# Altium PCB Refreshmate_Air_freshner_&_fan_module.PcbDoc
Units mil, origin at the board's own origin, x right, y up, seen from the top; angles counter-clockwise.
Board outline 2760 x 1930 mil, 2 copper layers (Top Layer, Bottom Layer); 19 components, 14 nets, 59 pads, 0 vias.
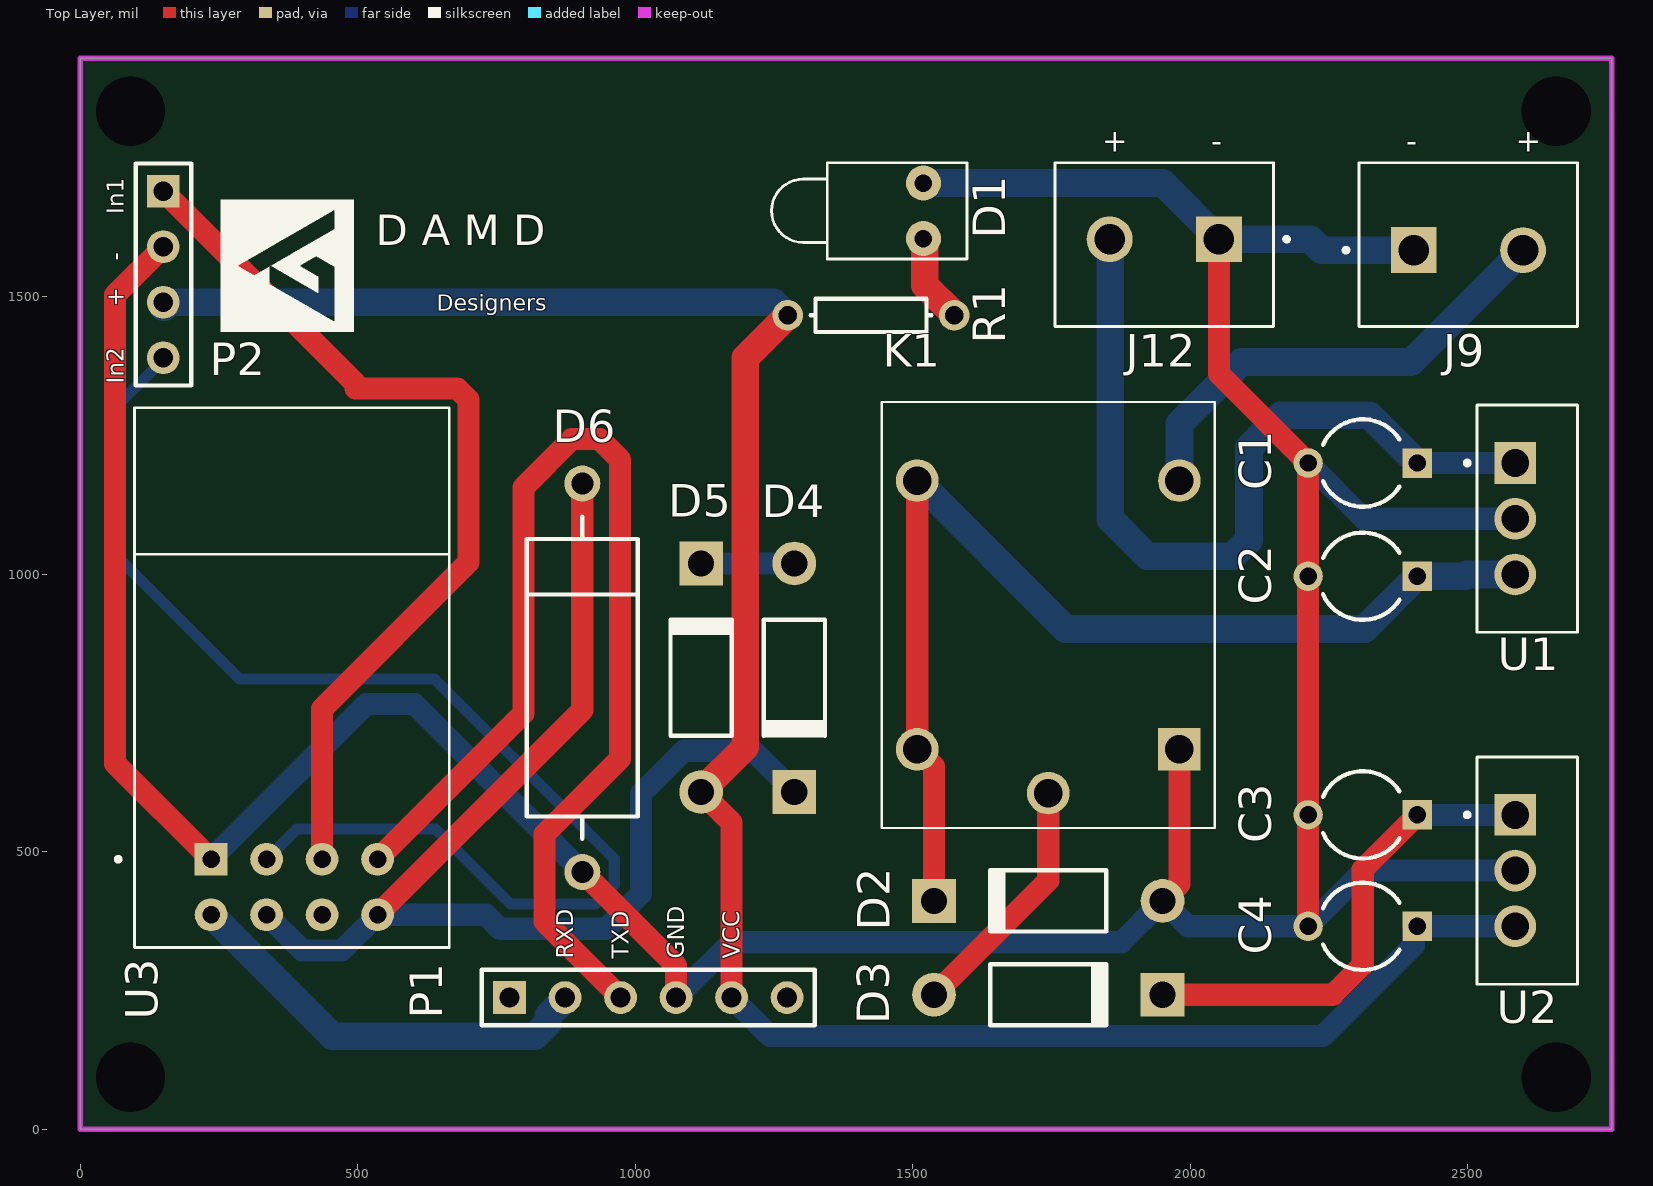
[diagram p0: Top Layer view]
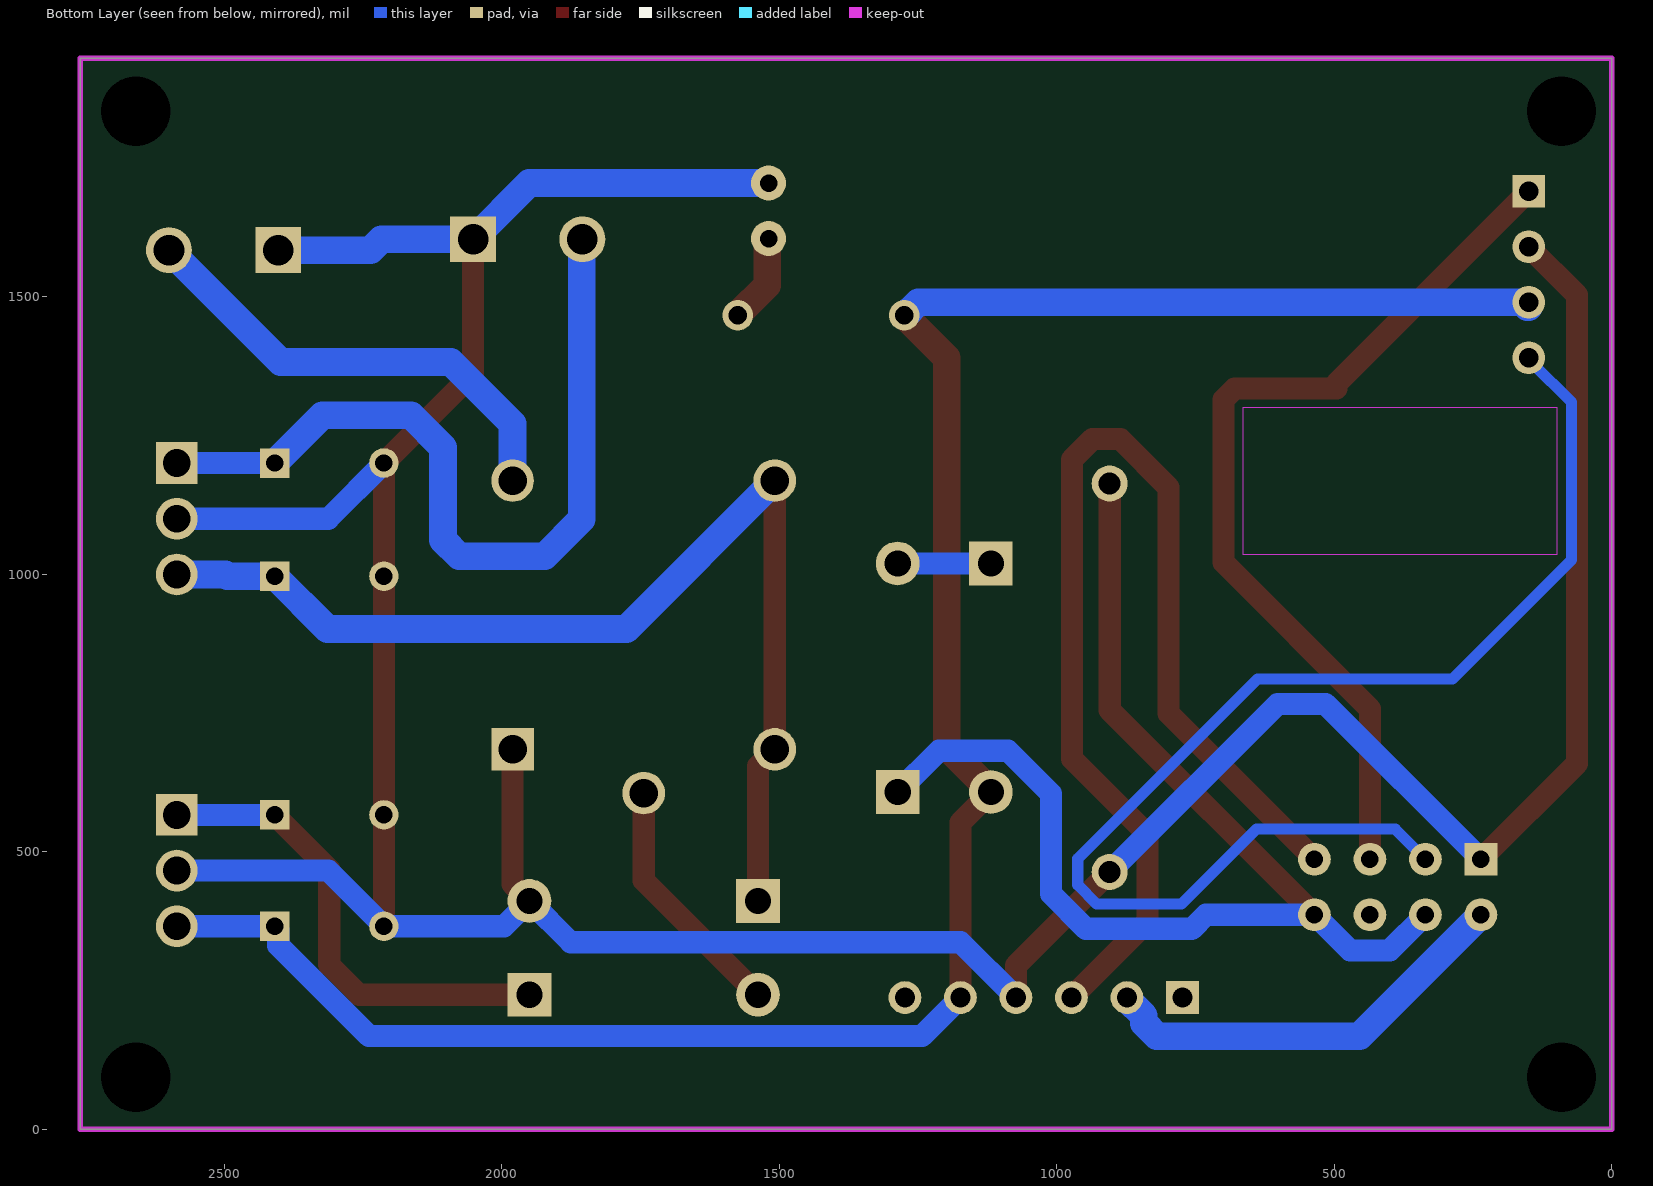
[diagram p1: Bottom Layer view, seen from below]

## Layer stack, top to bottom
Top Solder: solder mask 0.4, Solder Resist, Dk 3.5
Top Layer: signal copper 1.4
Dielectric 1: dielectric 12.6, FR-4, Dk 4.8
Bottom Layer: signal copper 1.4
Bottom Solder: solder mask 0.4, Solder Resist, Dk 3.5

## Board outline
0,0 0,1930 2760,1930 2760,0

## Design rules (kind name [scope] priority, off if disabled: settings)
Clearance [All] p1: gap=15 ignorepadtopadclearanceinfootprint=FALSE
ComponentClearance [All] p1: gap=10 collisioncheckmode=3 verticalgap=10 showdistances=FALSE donotcheckwithout3dbody=TRUE
HoleSize [All] p1: absolutevalues=TRUE maxlimit=130 minlimit=1 maxpercent=80.000 minpercent=20.000
HoleToHoleClearance [All] p1: gap=15 allowstackedmicrovias=TRUE
PolygonConnect [All] p1: connectstyle=Relief reliefconductorwidth=10 reliefentries=4 polygonreliefangle="90 Angle" airgapwidth=10
RoomDefinition Relay_module [InComponentClass('Relay_module')] p1: confinementstyle=ConfineIn formatcopy=TRUE lockcomponents=FALSE outline 10,10 2750,10 2750,1915.96 10,1915.96
RoutingVias [All] p1: holewidth=28 width=50 viastyle="Through Hole" minholewidth=28 minwidth=50 maxholewidth=28 maxwidth=50
SilkToSolderMaskClearance [IsText] p1: minsilkscreentomaskgap=10 clearancetoexposedcopper=TRUE
SolderMaskExpansion [All] p1: expansion=4 istentingtop=FALSE
Width [All] p1: maxlimit=100 minlimit=10 preferedwidth=40
26 further rules are at their usual default settings.

## Classes and differential pairs
component class Relay_module: C1 C2 C3 C4 D1 D2 D3 D4 D5 D6 J9 J12 K1 P1 R1 U1 U2 U3

## Components (designator, comment, footprint, x,y, rotation, side; value= is the part's Value field where it differs from the comment)
C1 "0.33uF" CAPR5-4X5 2310.94,1200.43 r180 top
C2 "0.1uF" CAPR5-4X5 2310.94,996.43 r180 top
C3 "100uf 25V" CAPR5-4X5 2310.94,566.43 r180 top
C4 "2200uf 16V" CAPR5-4X5 2310.94,365.64 r180 top
D1 "LED1" LED-1 1519.52,1654.82 r180 top
D2 "Diode 1N4007" DO-41 1744.52,411.43 r180 top
D3 "Diode 1N4007" DO-41 1744.52,242.43 r0 top
D4 "Diode 1N4007" DO-41 1286.94,813.6 r270 top
D5 "Diode 1N4007" DO-41 1118.94,813.6 r90 top
D6 "D Zener" DIODE-0.7 904.94,813.6 r90 top
J9 "9V Battery" HANDSON_KF301-2P 2501.37,1583.96 r0 top
J12 "12V Battery" HANDSON_KF301-2P 1953.37,1603.64 r180 top
K1 "9V RELAY" JQC3FT731Z12VDC 1980.74,684.48 r90 top
P1 "HC-05 Bluetooth module" HDR1X6 773.79,237.31 r0 top
P2 "Header 4" HDR1X4 150,1690 r270 top (schematic designator P?)
R1 "Res1" AXIAL-0.3 1424.95,1466.43 r180 top value=470ohm
U1 "L7809CV" TO255P1040X460X1968-3 2585.62,1200.43 r270 top
U2 "L7805CV" TO255P1040X460X1968-3 2585.62,566.43 r270 top
U3 "ESP8266-01/ESP-01" XCVR_ESP8266-01/ESP-01 385.94,813.6 r0 top

## Footprints (in the part's own frame and the unit in brackets; to place one, negate y for a bottom-side part, rotate by r counter-clockwise, add the part's x,y. Pads: shape width x height; smd on the part's side, far side on the other; paste and mask are expansions set on the pad)
AXIAL-0.3 [mm] "Axial Device, Thru-Hole; 2 Leads; 0.3 in Pin Spacing"
  round 1.4 hole 0.85: 1(-3.81,0) 2(3.81,0)
  silkscreen extent -2.77,-0.76 2.77,0.76
CAPR5-4X5 [mm] "Capacitor; 2 Leads"
  rect 1.35x1.35 hole 0.8: 1(-2.5,0)
  round 1.35 hole 0.8: 2(2.5,0)
  silkscreen extent -1.69,-2 1.82,2
DIODE-0.7 [mm] "Diode, Thru-Hole; 2 Leads; 0.7 in Pin Spacing"
  round 1.65 hole 1: 1(-8.89,0) 2(8.89,0)
  silkscreen extent -7.37,-2.54 7.37,2.54
DO-41 [mm] "Diode, Axial; Body 5.2 x 2.7 mm (LxDia. max), Lead Dia. 0.86 mm (max)"
  round 2 hole 1.2: 1(-5.23,0)
  rect 2x2 hole 1.2: 2(5.23,0)
  silkscreen extent -2.65,-1.4 2.75,1.4
HANDSON_KF301-2P [mm]
  rect 2.1x2.1 hole 1.4: 1(-2.5,0)
  round 2.1 hole 1.4: 2(2.5,0)
  silkscreen extent -5.7,-3.5 5,4
HDR1X4 [mm] "Connector; Header; 4 Position"
  rect 1.5x1.5 hole 0.9: 1(0,0)
  round 1.5 hole 0.9: 2(2.54,0) 3(5.08,0) 4(7.62,0)
  silkscreen extent -1.27,-1.27 8.89,1.27
HDR1X6 [mm] "Connector; Header; 6 Position"
  rect 1.5x1.5 hole 0.9: 1(0,0)
  round 1.5 hole 0.9: 2(2.54,0) 3(5.08,0) 4(7.62,0) 5(10.16,0) 6(12.7,0)
  silkscreen extent -1.27,-1.27 13.97,1.27
JQC3FT731Z12VDC [mm]
  rect 1.95x1.95 hole 1.3: 1(0,0)
  round 1.95 hole 1.3: 2(12.3,0) 3(12.3,12) 4(0,12) 5(-2,6)
  silkscreen extent -3.6,-1.62 15.9,13.62
LED-1 [mm] "LED; 2 Leads"
  round 1.6 hole 0.8: 1(0,1.27) 2(0,-1.27)
  silkscreen extent -2,-2.2 6.95,2.2
TO255P1040X460X1968-3 [mm]
  rect 1.91x1.91 / inner round 1.91 / far side rect 1.91x1.91 hole 1.27: 1(0,0)
  round 1.91 hole 1.27: 2(2.55,0) 3(5.1,0)
  silkscreen extent -2.65,-2.29 7.75,2.86, body extent -4.98,-1.76 4.98,2.69, height 19.68
XCVR_ESP8266-01/ESP-01 [mm]
  rect 1.5x1.5 hole 0.8: 1(-3.81,-8.31)
  round 1.5 hole 0.8: 2(-1.27,-8.31) 3(1.27,-8.31) 4(3.81,-8.31) 5(-3.81,-10.85) 6(-1.27,-10.85) 7(1.27,-10.85) 8(3.81,-10.85)
  Keep-Out Layer region: 7.09,5.65 -7.31,5.65 -7.31,12.35 7.09,12.35
  silkscreen extent -8.16,-12.35 7.09,12.35

## Part data
C1 C2 C3 C4: library part Cap2, "Capacitor", PackageDescription="Capacitor; 2 Leads", PackageReference=CAPR5-4X5, Published=23-Sep-2002, Publisher="Altium Limited"
D1: "Typical RED GaAs LED", LatestRevisionDate=08-Jul-2005, LatestRevisionNote="Mech Layer 1 removed.", PackageDescription="LED; 2 Leads", PackageReference=LED-1, Published=8-Jun-2000, Publisher="Altium Limited"
D2 D3 D4 D5: "1 Amp General Purpose Rectifier", Code_JEDEC=DO-204-AL, ComponentLink1Description="Manufacturer Link", ComponentLink1URL=http://www.fairchildsemi.com/, ComponentLink2Description=Datasheet, ComponentLink2URL=http://www.fairchildsemi.com/ds/1N%2F1N4001.pdf, DatasheetVersion=1998, LatestRevisionDate=17-Jul-2002, LatestRevisionNote="Re-released for DXP Platform.", PackageDescription="Diode, Axial; Body 5.2 x 2.7 mm (LxDia. max), Lead Dia. 0.86 mm (max)", PackageReference=DO-41, PackageVersion=Aug-1999, Published=8-Jun-2000, Publisher="Altium Limited"
D6: "Zener Diode", LatestRevisionDate=17-Jul-2002, LatestRevisionNote="Re-released for DXP Platform.", PackageDescription="Diode, Thru-Hole; 2 Leads; 0.7 in Pin Spacing", PackageReference=DIODE-0.7, Published=8-Jun-2000, Publisher="Altium Limited"
J9 J12: library part KF301-2P, "2 Pin Terminal Block 5mm Pitch", Package=None, Availability=Unavailable, MP=KF301-2P, Price=None
K1: library part JQC-3F-_T73_-1Z-12VDC, "RELAY POWER 10A 12VDC 1C PCB TYPE (JS1) 5PIN QIANJ", Manufacturer_Name=QIANJI, Manufacturer_Part_Number=JQC-3F-(T73)-1Z-12VDC, Datasheet Link=https://img.ozdisan.com/ETicaret_Dosya/341245_8627675.pdf, Geometry.Height=15.5mm
P1: library part "Header 6", "Header, 6-Pin", LatestRevisionDate=17-Jul-2002, LatestRevisionNote="Re-released for DXP Platform.", Publisher="Altium Limited"
P2: "Header, 4-Pin", LatestRevisionDate=17-Jul-2002, LatestRevisionNote="Re-released for DXP Platform.", Publisher="Altium Limited"
R1: "Resistor", LatestRevisionDate=17-Jul-2002, LatestRevisionNote="Re-released for DXP Platform.", PackageDescription="Axial Device, Thru-Hole; 2 Leads; 0.3 in Pin Spacing", PackageReference=AXIAL-0.3, Published=8-Jun-2000, Publisher="Altium Limited"
U1: library part L7805CV, "Linear Voltage Regulator IC Positive Fixed 1 Output 1.5A TO-220", Package="TO-220-3 ON Semiconductor", Availability="In Stock", Check_prices=https://www.snapeda.com/parts/L7805CV/STMicroelectronics/view-part/?ref=eda, MF=STMicroelectronics, MP=L7805CV, Price=None, Purchase-URL=https://pricing.snapeda.com/search/part/L7805CV/?ref=eda, SnapEDA_Link=https://www.snapeda.com/parts/L7805CV/STMicroelectronics/view-part/?ref=snap
U2: "Linear Voltage Regulator IC Positive Fixed 1 Output 1.5A TO-220", Package="TO-220-3 ON Semiconductor", Availability="In Stock", Check_prices=https://www.snapeda.com/parts/L7805CV/STMicroelectronics/view-part/?ref=eda, MF=STMicroelectronics, MP=L7805CV, Price=None, Purchase-URL=https://pricing.snapeda.com/search/part/L7805CV/?ref=eda, SnapEDA_Link=https://www.snapeda.com/parts/L7805CV/STMicroelectronics/view-part/?ref=snap
U3: "MakerFocus 4pcs ESP8266 ESP-01 Serial Wireless WiFi Transceiver Receiver Module 1MB SPI Flash DC3.0-3.6V Internet of Things WiFi Module Board Compatible with Ar duino", Package=None, Availability=Unavailable, MP=ESP8266-01/ESP-01, Price=None

## Free pads (board coordinates)
  round 60 hole 125 unplated: 3(90.79,93.71) 3(90.79,1833.96) 3(2659.79,93.71) 3(2659.79,1833.96)

## Nets (pads, with @x,y where several pads share a name; then routed paths per layer and width w, separated by ;. In a path a pad name is that pad's centre, name@x,y a point inside that pad or via, vN(x,y) a via of type N, cw(c..) or ccw(c..) an arc to the next point about the centre after c; other vN are vias at no path point)
"12V to 9V reg": C2.1 D2.2 K1.3 K1.4 U1.3 | length 1998.6
  Top Layer w40: K1.3 K1.4 1538.61,654.16 D2.2
  Bottom Layer w50: K1.3 1775.61,901.42 2314.36,901.42 C2.1 2494.94,996.43 2498.16,999.64 U1.3
+5V: C4.1 D5.1 P1.5 P2.3 R1.2 U2.3 | length 3992.3
  Top Layer w40: D5.1 1173.79,552.84 P1.5
  Top Layer w50: D5.1 1118.94,608.9 1198.31,688.27 1198.31,1389.79 R1.2
  Bottom Layer w40: P1.5 1243.05,168.06 2239.58,168.06 2402.79,331.27 2402.79,359.07 C4.1 U2.3
  Bottom Layer w50: P2.3@150,1481 P2.3@152.45,1481 ; P2.3 1250,1490 1273.57,1466.43 R1.2
+9V: J9.2 K1.2 | length 851.1
  Bottom Layer w50: K1.2 1980.74,1271.21 2091.95,1382.43 2398.26,1382.43 J9.2
+12V: C1.1 J12.2 U1.1 | length 1500.6
  Bottom Layer w40: C1.1 U1.1
  Bottom Layer w50: J12.2 1855.94,1602.64 1855.94,1099.42 1922.94,1032.42 2076.65,1032.42 2105.94,1061.71 2105.94,1228.42 2163.94,1286.42 2323.38,1286.42 C1.1
for_relay_in: P2.1 U3.3 | length 1648.3
  Top Layer w40: P2.1 496.18,1343.82 496.18,1334.82 679.57,1334.82 700.08,1314.31 700.08,1021.54 435.94,757.4 U3.3
for_relay_in_2: P2.4 U3.2 | length 2269.4
  Bottom Layer w20: P2.4@150,1381 143.98,1381 73.15,1310.17 73.15,1025.68 287.4,811.43 638.4,811.43 962.42,487.41 962.42,439.79 928.75,406.12 775.54,406.12 640.7,540.96 390.47,540.96 U3.2
GND: C1.2 C2.2 C3.2 C4.2 D1.2 D2.1 D6.1 J9.1 J12.1 K1.1 P1.4 P2.2 U1.2 U2.2 U3.1 | length 7000.6
  Top Layer w40: P2.2 63.15,1503.15 63.15,659.23 U3.1 ; D6.1 1073.79,294.75 P1.4 ; D2.1 1980.74,441.75 K1.1 ; J12.1 2051.79,1361.15 C1.2 C2.2 C3.2 C4.2
  Bottom Layer w40: U3.1 515.94,766.43 602.11,766.43 D6.1 ; P1.4 1173.54,337.06 1876.05,337.06 D2.1 1996.21,365.64 C4.2 2312.91,466.04 U2.2 ; C1.2 2312.91,1100.04 U1.2
  Bottom Layer w50: D1.2 1950.61,1704.82 J12.1 2216.94,1603.64 2236.63,1583.96 J9.1
NetD1_1: D1.1 R1.1 | length 161.4
  Top Layer w50: D1.1 1522,1602.34 1522,1520.77 1574.95,1467.82 R1.1
NetD3_1: D3.1 K1.5 | length 448.6
  Top Layer w40: D3.1 1744.52,448.33 K1.5
NetD4_1: D4.1 D5.2 | length 168
  Bottom Layer w40: D5.2 D4.1
NetD4_2: D4.2 D6.2 U3.6 U3.8 | length 2214.3
  Top Layer w40: U3.8 904.94,755.43 D6.2
  Bottom Layer w40: U3.6 400.47,321.9 471.42,321.9 U3.8 731.59,386.43 756.9,361.12 947.39,361.12 1010.52,424.24 1010.52,604.44 1088.14,682.06 1212.57,682.06 D4.2
relayout: C3.1 D3.2 U2.1 | length 869.9
  Top Layer w40: D3.2 2256.94,242.43 2310.94,296.43 2310.94,468 C3.1
  Bottom Layer w40: C3.1 U2.1
RX: P1.2 U3.5 | length 766.4
  Bottom Layer w50: U3.5 454.59,167.78 819.89,167.78 843.32,191.22 843.32,204.39 873.79,234.86 P1.2
TX: P1.3 U3.4 | length 2086.4
  Top Layer w40: U3.4 798.94,749.43 798.94,1156.43 885.94,1243.43 935.94,1243.43 972.94,1206.43 972.94,667.43 836.94,531.43 836.94,374.16 P1.3
pads on no net: P1.1 P1.6 U3.7

## Keep-outs
Keep-Out Layer:
  the board outline again, w10

## Silkscreen, mask and mechanical layers (free items; w line width, h text height)
Top Overlay:
  region: 1237 vertices and 1 holes, not listed, extent 253.02,1437.11 492.99,1674.39
  text "+" at 1841.61,1761.21 h40
  text "-" at 2038.47,1761.21 h40
  text "-" at 2389.61,1761.21 h40
  text "+" at 2586.47,1761.21 h40
  text "In1" at 79,1648.51 h30 r90
  text "D A M D" at 532.99,1573.73 h95
  text "-" at 79,1565.17 h30 r90
  text "+" at 79,1481.83 h30 r90
  text "Designers" at 642.99,1464.78 h50
  text "In2" at 79,1343.51 h30 r90
  text "RXD" at 888.79,307.49 h30 r90
  text "TXD" at 988.79,307.49 h30 r90
  text "GND" at 1088.79,307.49 h30 r90
  text "VCC" at 1188.79,307.49 h30 r90